# Altium PCB PCB_Kasli.PCBDOC (part 1 of 16) (continued)
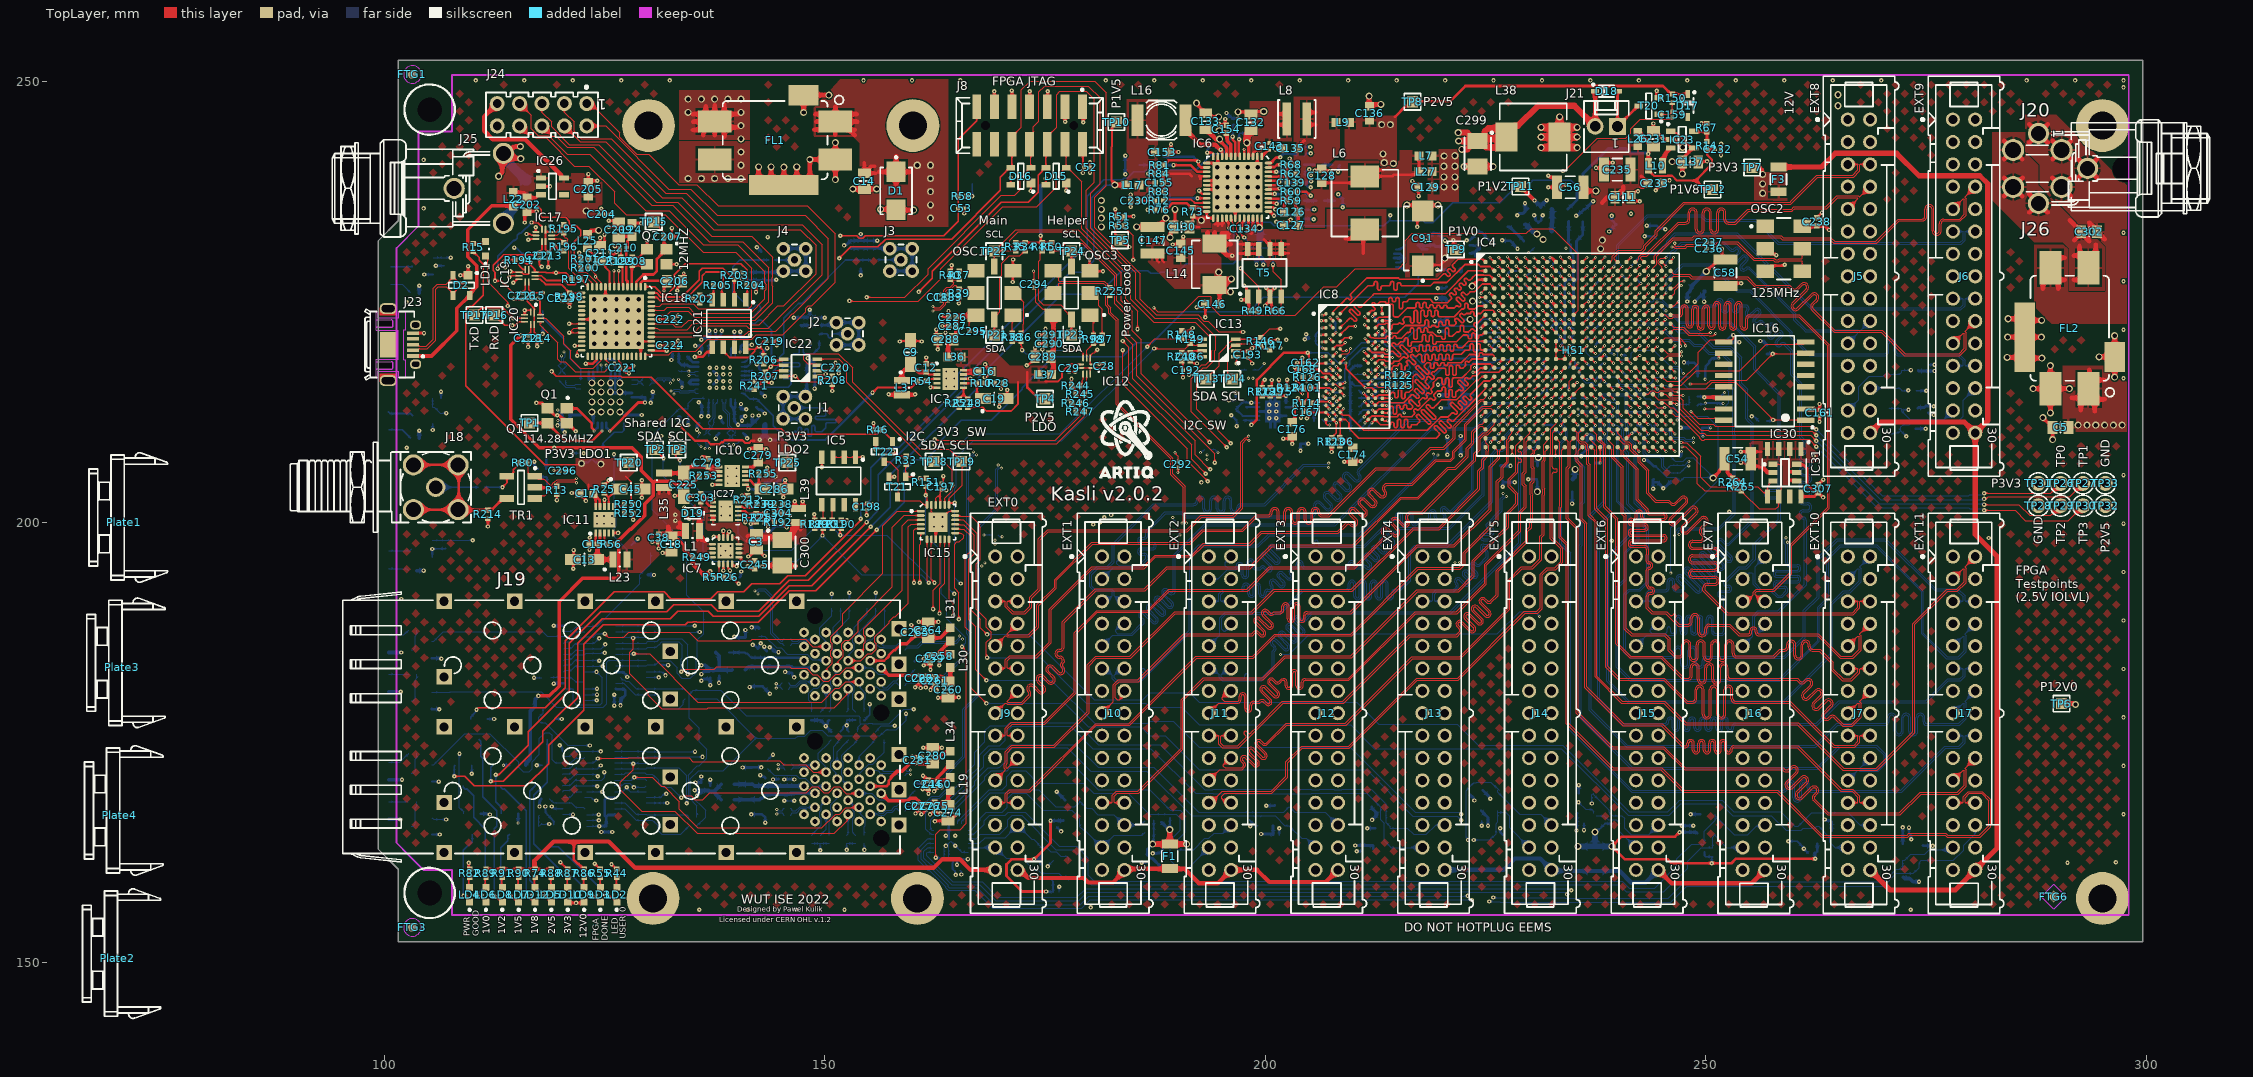
[diagram p0: TopLayer view]
## Classes and differential pairs
polygon class Copper_balancing: BAL_BOT BAL_TOP ML1_BAL ML2_BAL
differential pair class Diff_100Ohm: CK_GTP_125 CKC_GTP_125 CKIN0 CKIN_SMA CLK_SMA_IN CLKREC DDR3_CK DDR3_LDQS DDR3_UDQS EXT0.LVDS0 EXT0.LVDS1 EXT0.LVDS2 EXT0.LVDS3 EXT0.LVDS4 EXT0.LVDS5 EXT0.LVDS6 EXT0.LVDS7 EXT1.LVDS0 EXT1.LVDS1 EXT1.LVDS2 EXT1.LVDS3 EXT1.LVDS4 EXT1.LVDS5 EXT1.LVDS6 EXT1.LVDS7 EXT2.LVDS0 EXT2.LVDS1 EXT2.LVDS2 EXT2.LVDS3 EXT2.LVDS4 EXT2.LVDS5 EXT2.LVDS6 EXT2.LVDS7 EXT3.LVDS0 EXT3.LVDS1 EXT3.LVDS2 EXT3.LVDS3 EXT3.LVDS4 EXT3.LVDS5 EXT3.LVDS6 EXT3.LVDS7 EXT4.LVDS0 EXT4.LVDS1 EXT4.LVDS2 EXT4.LVDS3 EXT4.LVDS4 EXT4.LVDS5 EXT4.LVDS6 EXT4.LVDS7 EXT5.LVDS0 EXT5.LVDS1 EXT5.LVDS2 EXT5.LVDS3 EXT5.LVDS4 EXT5.LVDS5 EXT5.LVDS6 EXT5.LVDS7 EXT6.LVDS0 EXT6.LVDS1 EXT6.LVDS2 EXT6.LVDS3 EXT6.LVDS4 EXT6.LVDS5 EXT6.LVDS6 EXT6.LVDS7 EXT7.LVDS0 EXT7.LVDS1 EXT7.LVDS2 EXT7.LVDS3 EXT7.LVDS4 EXT7.LVDS5 EXT7.LVDS6 EXT7.LVDS7 EXT8.LVDS0 EXT8.LVDS1 EXT8.LVDS2 EXT8.LVDS3 EXT8.LVDS4 EXT8.LVDS5 EXT8.LVDS6 EXT8.LVDS7 EXT9.LVDS0 EXT9.LVDS1 EXT9.LVDS2 EXT9.LVDS3 EXT9.LVDS4 EXT9.LVDS5 EXT9.LVDS6 EXT9.LVDS7 EXT10.LVDS0 EXT10.LVDS1 EXT10.LVDS2 EXT10.LVDS3 EXT10.LVDS4 EXT10.LVDS5 EXT10.LVDS6 EXT10.LVDS7 EXT11.LVDS0 EXT11.LVDS1 EXT11.LVDS2 EXT11.LVDS3 EXT11.LVDS4 EXT11.LVDS5 EXT11.LVDS6 EXT11.LVDS7 Helper_DCXO Main_DCXO Main_DCXO_C SFP0_RD SFP0_TD SFP1_RD SFP1_TD SFP2_RD SFP2_TD SFP3_RD SFP3_TD SFP_RX_TX_0.RD SFP_RX_TX_0.TD SFP_RX_TX_1.RD SFP_RX_TX_1.TD SFP_RX_TX_2.RD SFP_RX_TX_2.TD SFP_RX_TX_3.RD SFP_RX_TX_3.TD
net class EXT11.LVDS_P[7..0]: EXT11.LVDS_P0 EXT11.LVDS_P1 EXT11.LVDS_P2 EXT11.LVDS_P3 EXT11.LVDS_P4 EXT11.LVDS_P5 EXT11.LVDS_P6 EXT11.LVDS_P7
net class EXT11.LVDS_N[7..0]: EXT11.LVDS_N0 EXT11.LVDS_N1 EXT11.LVDS_N2 EXT11.LVDS_N3 EXT11.LVDS_N4 EXT11.LVDS_N5 EXT11.LVDS_N6 EXT11.LVDS_N7
net class EXT10.LVDS_P[7..0]: EXT10.LVDS_P0 EXT10.LVDS_P1 EXT10.LVDS_P2 EXT10.LVDS_P3 EXT10.LVDS_P4 EXT10.LVDS_P5 EXT10.LVDS_P6 EXT10.LVDS_P7
net class EXT10.LVDS_N[7..0]: EXT10.LVDS_N0 EXT10.LVDS_N1 EXT10.LVDS_N2 EXT10.LVDS_N3 EXT10.LVDS_N4 EXT10.LVDS_N5 EXT10.LVDS_N6 EXT10.LVDS_N7
net class EXT9.LVDS_P[7..0]: EXT9.LVDS_P0 EXT9.LVDS_P1 EXT9.LVDS_P2 EXT9.LVDS_P3 EXT9.LVDS_P4 EXT9.LVDS_P5 EXT9.LVDS_P6 EXT9.LVDS_P7
net class EXT9.LVDS_N[7..0]: EXT9.LVDS_N0 EXT9.LVDS_N1 EXT9.LVDS_N2 EXT9.LVDS_N3 EXT9.LVDS_N4 EXT9.LVDS_N5 EXT9.LVDS_N6 EXT9.LVDS_N7
net class EXT8.LVDS_P[7..0]: EXT8.LVDS_P0 EXT8.LVDS_P1 EXT8.LVDS_P2 EXT8.LVDS_P3 EXT8.LVDS_P4 EXT8.LVDS_P5 EXT8.LVDS_P6 EXT8.LVDS_P7
net class EXT8.LVDS_N[7..0]: EXT8.LVDS_N0 EXT8.LVDS_N1 EXT8.LVDS_N2 EXT8.LVDS_N3 EXT8.LVDS_N4 EXT8.LVDS_N5 EXT8.LVDS_N6 EXT8.LVDS_N7
net class EXT7.LVDS_P[7..0]: EXT7.LVDS_P0 EXT7.LVDS_P1 EXT7.LVDS_P2 EXT7.LVDS_P3 EXT7.LVDS_P4 EXT7.LVDS_P5 EXT7.LVDS_P6 EXT7.LVDS_P7
net class EXT7.LVDS_N[7..0]: EXT7.LVDS_N0 EXT7.LVDS_N1 EXT7.LVDS_N2 EXT7.LVDS_N3 EXT7.LVDS_N4 EXT7.LVDS_N5 EXT7.LVDS_N6 EXT7.LVDS_N7
net class EXT6.LVDS_P[7..0]: EXT6.LVDS_P0 EXT6.LVDS_P1 EXT6.LVDS_P2 EXT6.LVDS_P3 EXT6.LVDS_P4 EXT6.LVDS_P5 EXT6.LVDS_P6 EXT6.LVDS_P7
net class EXT6.LVDS_N[7..0]: EXT6.LVDS_N0 EXT6.LVDS_N1 EXT6.LVDS_N2 EXT6.LVDS_N3 EXT6.LVDS_N4 EXT6.LVDS_N5 EXT6.LVDS_N6 EXT6.LVDS_N7
net class EXT5.LVDS_P[7..0]: EXT5.LVDS_P0 EXT5.LVDS_P1 EXT5.LVDS_P2 EXT5.LVDS_P3 EXT5.LVDS_P4 EXT5.LVDS_P5 EXT5.LVDS_P6 EXT5.LVDS_P7
net class EXT5.LVDS_N[7..0]: EXT5.LVDS_N0 EXT5.LVDS_N1 EXT5.LVDS_N2 EXT5.LVDS_N3 EXT5.LVDS_N4 EXT5.LVDS_N5 EXT5.LVDS_N6 EXT5.LVDS_N7
net class EXT4.LVDS_P[7..0]: EXT4.LVDS_P0 EXT4.LVDS_P1 EXT4.LVDS_P2 EXT4.LVDS_P3 EXT4.LVDS_P4 EXT4.LVDS_P5 EXT4.LVDS_P6 EXT4.LVDS_P7
net class EXT4.LVDS_N[7..0]: EXT4.LVDS_N0 EXT4.LVDS_N1 EXT4.LVDS_N2 EXT4.LVDS_N3 EXT4.LVDS_N4 EXT4.LVDS_N5 EXT4.LVDS_N6 EXT4.LVDS_N7
net class EXT3.LVDS_P[7..0]: EXT3.LVDS_P0 EXT3.LVDS_P1 EXT3.LVDS_P2 EXT3.LVDS_P3 EXT3.LVDS_P4 EXT3.LVDS_P5 EXT3.LVDS_P6 EXT3.LVDS_P7
net class EXT3.LVDS_N[7..0]: EXT3.LVDS_N0 EXT3.LVDS_N1 EXT3.LVDS_N2 EXT3.LVDS_N3 EXT3.LVDS_N4 EXT3.LVDS_N5 EXT3.LVDS_N6 EXT3.LVDS_N7
net class EXT2.LVDS_P[7..0]: EXT2.LVDS_P0 EXT2.LVDS_P1 EXT2.LVDS_P2 EXT2.LVDS_P3 EXT2.LVDS_P4 EXT2.LVDS_P5 EXT2.LVDS_P6 EXT2.LVDS_P7
net class EXT2.LVDS_N[7..0]: EXT2.LVDS_N0 EXT2.LVDS_N1 EXT2.LVDS_N2 EXT2.LVDS_N3 EXT2.LVDS_N4 EXT2.LVDS_N5 EXT2.LVDS_N6 EXT2.LVDS_N7
net class EXT1.LVDS_P[7..0]: EXT1.LVDS_P0 EXT1.LVDS_P1 EXT1.LVDS_P2 EXT1.LVDS_P3 EXT1.LVDS_P4 EXT1.LVDS_P5 EXT1.LVDS_P6 EXT1.LVDS_P7
net class EXT1.LVDS_N[7..0]: EXT1.LVDS_N0 EXT1.LVDS_N1 EXT1.LVDS_N2 EXT1.LVDS_N3 EXT1.LVDS_N4 EXT1.LVDS_N5 EXT1.LVDS_N6 EXT1.LVDS_N7
net class EXT0.LVDS_P[7..0]: EXT0.LVDS_P0 EXT0.LVDS_P1 EXT0.LVDS_P2 EXT0.LVDS_P3 EXT0.LVDS_P4 EXT0.LVDS_P5 EXT0.LVDS_P6 EXT0.LVDS_P7
net class EXT0.LVDS_N[7..0]: EXT0.LVDS_N0 EXT0.LVDS_N1 EXT0.LVDS_N2 EXT0.LVDS_N3 EXT0.LVDS_N4 EXT0.LVDS_N5 EXT0.LVDS_N6 EXT0.LVDS_N7
differential pair class Diff_90Ohm: USB_D_R
differential pair class LVPECL: CK_FPGAIO CK_GTP CKI_FPGAIO CKI_GTP CKOUT_1 CKOUT_D_1
differential pair class GTP: MGT_RX3 MGT_TX3 SATA_RX SATA_TX SFP_RX_TX_0.RD SFP_RX_TX_0.TD SFP_RX_TX_1.RD SFP_RX_TX_1.TD SFP_RX_TX_2.RD SFP_RX_TX_2.TD SFP_RX_TX_3.RD SFP_RX_TX_3.TD
net class SFP_RX_TX_3: SFP_RX_TX_3.RD_N SFP_RX_TX_3.RD_P SFP_RX_TX_3.TD_N SFP_RX_TX_3.TD_P
net class SFP_3: SFP_3.LED SFP_3.LOS SFP_3.MOD_PRESENT SFP_3.RATE_SELECT SFP_3.RATE_SELECT1 SFP_3.SCL SFP_3.SDA SFP_3.TX_DISABLE SFP_3.TX_FAULT
net class GPIO_INT[1..0]: GPIO_INT0 GPIO_INT1
component class U_SFP: C160 C178 C179 C180 C181 C182 C183 C184 C185 C244 C246 C247 C248 C249 C250 C251 C252 C253 C254 C255 C256 C257 C258 C259 C260 C261 C262 C263 C264 C265 C266 C267 C268 C269 C270 C271 C272 C273 C274 C275 C276 C277 C280 C281 C282 C283 C284 C285 DS1 DS2 DS3 J19 L19 L20 L21 L30 L31 L32 L33 L34 LD11 LD15 LD16 LD17 Plate1 Plate2 Plate3 Plate4 R130 R133 R134 R135 R136 R137 R138 R140 R141 R142 R143 R144 R145 R174 R193 R213 R215 R216 R217 R218 R219 R220 R222 R223 T11 T16 T17 T18
net class 50Ohm: DDR3_A0 DDR3_A1 DDR3_A2 DDR3_A3 DDR3_A4 DDR3_A5 DDR3_A6 DDR3_A7 DDR3_A8 DDR3_A9 DDR3_A10 DDR3_A11 DDR3_A12 DDR3_A13 DDR3_A14 DDR3_BA0 DDR3_BA1 DDR3_BA2 DDR3_CAS_N DDR3_CK_N DDR3_CK_P DDR3_CKE DDR3_DQ0 DDR3_DQ1 DDR3_DQ2 DDR3_DQ3 DDR3_DQ4 DDR3_DQ5 DDR3_DQ6 DDR3_DQ7 DDR3_DQ8 DDR3_DQ9 DDR3_DQ10 DDR3_DQ11 DDR3_DQ12 DDR3_DQ13 DDR3_DQ14 DDR3_DQ15 DDR3_LDM DDR3_LDQS_N DDR3_LDQS_P DDR3_ODT DDR3_RAS_N DDR3_UDM DDR3_UDQS_N DDR3_UDQS_P DDR3_WE_N EEM_CLK_OUT0 EEM_CLK_OUT1 EEM_CLK_OUT2 EEM_CLK_OUT3 NetC20_2 NetC21_2 NetC22_2 NetC27_2 NetC228_1 NetC228_2
component class FPGA_JTAG: C52 C53 C159 R58
component class SATA: C246 C247 C248 C249 C250 C251 C252 C253 C254 C255 C256 C257 C282 C283 C284 C285
component class Artix: C50 C51 C57 C60 C61 C62 C63 C64 C65 C95 C97 C98 C99 C100 C101 C112 C113 C114 C115 C116 C120 C122 C123 C124 C125 C161 C205 C229 C240 L4 L5 R19 R23 R42 R43 R44 R45 R52 R53 R55 R94 R95 R96 R191 R227 T2 T3 T4 T12 T19 T20 T21 T22
component class PowerSupplies: C5 C14 C126 C127 C128 C129 C130 C131 C132 C133 C134 C135 C136 C137 C138 C139 C140 C141 C142 C143 C145 C146 C147 C148 C149 C150 C151 C152 C153 C154 C155 C156 C157 C158 C230 C231 C232 C233 C299 C301 C302 D1 FL1 FL2 IC6 IC23 J20 J25 J26 L6 L7 L8 L9 L10 L11 L12 L13 L14 L15 L16 L17 L18 L26 L27 L28 L38 LD4 LD5 LD6 LD7 LD8 LD9 LD10 LD12 R12 R14 R49 R51 R59 R60 R61 R62 R63 R64 R65 R66 R67 R68 R69 R70 R71 R72 R73 R74 R75 R76 R77 R78 R79 R81 R82 R83 R84 R85 R86 R87 R88 R89 R90 R91 R92 R93 T5 T6 T7 T8 T9 T10 T15 TP5 TP6 TP7 TP8 TP9 TP10 TP11 TP12
net class I2C_SDA_[11..0]: I2C_SDA_0 I2C_SDA_1 I2C_SDA_2 I2C_SDA_3 I2C_SDA_4 I2C_SDA_5 I2C_SDA_6 I2C_SDA_7 I2C_SDA_8 I2C_SDA_9 I2C_SDA_10 I2C_SDA_11
net class I2C_SCL_[11..0]: I2C_SCL_0 I2C_SCL_1 I2C_SCL_2 I2C_SCL_3 I2C_SCL_4 I2C_SCL_5 I2C_SCL_6 I2C_SCL_7 I2C_SCL_8 I2C_SCL_9 I2C_SCL_10 I2C_SCL_11
component class U_IDC_EXT_Connectors: C30 C31 C32 C33 C34 C35 C36 C37 C39 C40 C41 C42 D3 D4 D5 D6 D7 D8 D9 D10 D11 D12 D13 D14 F1 F2 F3 J5 J6 J7 J9 J10 J11 J12 J13 J14 J15 J16 J17
component class U_FPGAGTP: C236 C237 C238 OSC2 R191
component class U_FPGA_SDRAM: C162 C163 C164 C165 C166 C167 C168 C169 C170 C171 C172 C173 C174 C175 C176 C177 IC8 IC9 R99 R100 R101 R102 R103 R104 R105 R106 R107 R108 R109 R110 R111 R112 R113 R114 R115 R116 R117 R118 R119 R120 R121 R122 R123 R124 R125 R126 R127 R128 R129
component class U_FPGA_I2C: C186 C192 C193 C196 C197 C198 C203 C227 C305 C306 C307 IC5 IC13 IC14 IC15 IC24 IC25 IC28 IC29 IC30 IC31 R33 R46 R131 R132 R146 R147 R148 R149 R151 R155 R156 R157 R158 R159 R160 R161 R162 R163 R164 R165 R166 R167 R168 R169 R170 R171 R172 R173 R175 R176 R178 R180 R182 R183 R184 R185 R186 R187 R188 R189 R190 R228 R229 R230 R231 R232 R233 R234 R235 R240 R264 R265 T21 T22 TP2 TP3 TP13 TP14
component class TOP: C161 C228 C229 FTG1 FTG2 FTG3 FTG4 FTG5 FTG6 IC16 J18 R13 R80 R94 R95 R96 R139 R154 R214 TR1
component class ClockRecovery: C1 C2 C3 C4 C6 C7 C8 C9 C10 C11 C12 C13 C15 C16 C17 C18 C19 C20 C21 C22 C23 C24 C25 C26 C27 C28 C29 C38 C43 C44 C45 C46 C47 C48 C49 C144 C187 C188 C189 C190 C191 C194 C195 C199 C200 C201 C225 C226 C234 C239 C241 C242 C243 C245 C278 C279 C286 C287 C288 C289 C290 C291 C292 C293 C294 C295 C296 C297 C298 C300 C303 C304 D19 IC1 IC2 IC3 IC7 IC10 IC11 IC12 IC27 J1 J2 J3 J4 L1 L2 L3 L23 L29 L35 L36 L37 L39 LD1 OSC1 OSC3 Q1 R1 R2 R3 R4 R5 R6 R7 R8 R10 R15 R16 R17 R18 R21 R22 R24 R25 R26 R27 R28 R29 R30 R31 R32 R34 R35 R36 R37 R38 R39 R40 R41 R47 R48 R50 R54 R56 R97 R98 R152 R153 R177 R179 R181 R192 R210 R211 R212 R221 R224 R225 R236 R237 R238 R239 R242 R243 R244 R245 R246 R247 R248 R249 R250 R251 R252 R253 R254 R255 R256 R257 T1 TP1 TP4 TP20 TP21 TP22 TP23 TP24 TP25
component class FPGAPower&Misc: C50 C51 C52 C53 C54 C55 C56 C57 C58 C59 C60 C61 C62 C63 C64 C65 C66 C67 C68 C69 C70 C71 C72 C73 C74 C75 C76 C77 C78 C79 C80 C81 C82 C83 C84 C85 C86 C87 C88 C89 C90 C91 C92 C93 C94 C95 C96 C97 C98 C99 C100 C101 C102 C103 C104 C105 C106 C107 C108 C109 C110 C111 C112 C113 C114 C115 C116 C117 C118 C119 C120 C121 C122 C123 C124 C125 C235 C240 D15 D16 HS1 J8 L4 L5 LD3 R52 R53 R55 R57 R58 T4
component class "Artix 7": C159 D17 D18 IC4 J21 LD2 LD13 LD14 LD18 R9 R11 R19 R20 R23 R42 R43 R44 R45 R150 R226 R227 T2 T3 T12 T19 T20 TP26 TP27 TP28 TP29 TP30 TP31 TP32 TP33
component class USB_Serial_Quad: C202 C204 C205 C206 C207 C208 C209 C210 C211 C212 C213 C214 C215 C216 C217 C218 C219 C220 C221 C222 C223 C224 D2 IC17 IC18 IC19 IC20 IC21 IC22 IC26 J23 J24 L22 L24 L25 Q2 R194 R195 R196 R197 R198 R199 R200 R201 R202 R203 R204 R205 R206 R207 R208 R209 R241 T13 T14 TP15 TP16 TP17 TP18 TP19
component class Connectors: J18 J23
net class DDR_AddressAndControls: DDR3_A0 DDR3_A1 DDR3_A2 DDR3_A3 DDR3_A4 DDR3_A5 DDR3_A6 DDR3_A7 DDR3_A8 DDR3_A9 DDR3_A10 DDR3_A11 DDR3_A12 DDR3_A13 DDR3_A14 DDR3_BA0 DDR3_BA1 DDR3_BA2 DDR3_CAS_N DDR3_CK_N DDR3_CK_P DDR3_CKE DDR3_ODT DDR3_RAS_N DDR3_WE_N
net class DDR_BL0: DDR3_DQ0 DDR3_DQ1 DDR3_DQ2 DDR3_DQ3 DDR3_DQ4 DDR3_DQ5 DDR3_DQ6 DDR3_DQ7 DDR3_DQ8 DDR3_DQ9 DDR3_DQ10 DDR3_DQ11 DDR3_DQ12 DDR3_DQ13 DDR3_DQ14 DDR3_DQ15 DDR3_LDM DDR3_LDQS_N DDR3_LDQS_P DDR3_UDM DDR3_UDQS_N DDR3_UDQS_P
net class EXT0: EXT0.LVDS_N0 EXT0.LVDS_N1 EXT0.LVDS_N2 EXT0.LVDS_N3 EXT0.LVDS_N4 EXT0.LVDS_N5 EXT0.LVDS_N6 EXT0.LVDS_N7 EXT0.LVDS_P0 EXT0.LVDS_P1 EXT0.LVDS_P2 EXT0.LVDS_P3 EXT0.LVDS_P4 EXT0.LVDS_P5 EXT0.LVDS_P6 EXT0.LVDS_P7
net class EXT1: EXT1.LVDS_N0 EXT1.LVDS_N1 EXT1.LVDS_N2 EXT1.LVDS_N3 EXT1.LVDS_N4 EXT1.LVDS_N5 EXT1.LVDS_N6 EXT1.LVDS_N7 EXT1.LVDS_P0 EXT1.LVDS_P1 EXT1.LVDS_P2 EXT1.LVDS_P3 EXT1.LVDS_P4 EXT1.LVDS_P5 EXT1.LVDS_P6 EXT1.LVDS_P7
net class EXT2: EXT2.LVDS_N0 EXT2.LVDS_N1 EXT2.LVDS_N2 EXT2.LVDS_N3 EXT2.LVDS_N4 EXT2.LVDS_N5 EXT2.LVDS_N6 EXT2.LVDS_N7 EXT2.LVDS_P0 EXT2.LVDS_P1 EXT2.LVDS_P2 EXT2.LVDS_P3 EXT2.LVDS_P4 EXT2.LVDS_P5 EXT2.LVDS_P6 EXT2.LVDS_P7
net class EXT3: EXT3.LVDS_N0 EXT3.LVDS_N1 EXT3.LVDS_N2 EXT3.LVDS_N3 EXT3.LVDS_N4 EXT3.LVDS_N5 EXT3.LVDS_N6 EXT3.LVDS_N7 EXT3.LVDS_P0 EXT3.LVDS_P1 EXT3.LVDS_P2 EXT3.LVDS_P3 EXT3.LVDS_P4 EXT3.LVDS_P5 EXT3.LVDS_P6 EXT3.LVDS_P7
net class EXT4: EXT4.LVDS_N0 EXT4.LVDS_N1 EXT4.LVDS_N2 EXT4.LVDS_N3 EXT4.LVDS_N4 EXT4.LVDS_N5 EXT4.LVDS_N6 EXT4.LVDS_N7 EXT4.LVDS_P0 EXT4.LVDS_P1 EXT4.LVDS_P2 EXT4.LVDS_P3 EXT4.LVDS_P4 EXT4.LVDS_P5 EXT4.LVDS_P6 EXT4.LVDS_P7
net class EXT5: EXT5.LVDS_N0 EXT5.LVDS_N1 EXT5.LVDS_N2 EXT5.LVDS_N3 EXT5.LVDS_N4 EXT5.LVDS_N5 EXT5.LVDS_N6 EXT5.LVDS_N7 EXT5.LVDS_P0 EXT5.LVDS_P1 EXT5.LVDS_P2 EXT5.LVDS_P3 EXT5.LVDS_P4 EXT5.LVDS_P5 EXT5.LVDS_P6 EXT5.LVDS_P7
net class EXT6: EXT6.LVDS_N0 EXT6.LVDS_N1 EXT6.LVDS_N2 EXT6.LVDS_N3 EXT6.LVDS_N4 EXT6.LVDS_N5 EXT6.LVDS_N6 EXT6.LVDS_N7 EXT6.LVDS_P0 EXT6.LVDS_P1 EXT6.LVDS_P2 EXT6.LVDS_P3 EXT6.LVDS_P4 EXT6.LVDS_P5 EXT6.LVDS_P6 EXT6.LVDS_P7
net class EXT7: EXT7.LVDS_N0 EXT7.LVDS_N1 EXT7.LVDS_N2 EXT7.LVDS_N3 EXT7.LVDS_N4 EXT7.LVDS_N5 EXT7.LVDS_N6 EXT7.LVDS_N7 EXT7.LVDS_P0 EXT7.LVDS_P1 EXT7.LVDS_P2 EXT7.LVDS_P3 EXT7.LVDS_P4 EXT7.LVDS_P5 EXT7.LVDS_P6 EXT7.LVDS_P7
net class EXT8: EXT8.LVDS_N0 EXT8.LVDS_N1 EXT8.LVDS_N2 EXT8.LVDS_N3 EXT8.LVDS_N4 EXT8.LVDS_N5 EXT8.LVDS_N6 EXT8.LVDS_N7 EXT8.LVDS_P0 EXT8.LVDS_P1 EXT8.LVDS_P2 EXT8.LVDS_P3 EXT8.LVDS_P4 EXT8.LVDS_P5 EXT8.LVDS_P6 EXT8.LVDS_P7
net class EXT9: EXT9.LVDS_N0 EXT9.LVDS_N1 EXT9.LVDS_N2 EXT9.LVDS_N3 EXT9.LVDS_N4 EXT9.LVDS_N5 EXT9.LVDS_N6 EXT9.LVDS_N7 EXT9.LVDS_P0 EXT9.LVDS_P1 EXT9.LVDS_P2 EXT9.LVDS_P3 EXT9.LVDS_P4 EXT9.LVDS_P5 EXT9.LVDS_P6 EXT9.LVDS_P7
net class EXT10: EXT10.LVDS_N0 EXT10.LVDS_N1 EXT10.LVDS_N2 EXT10.LVDS_N3 EXT10.LVDS_N4 EXT10.LVDS_N5 EXT10.LVDS_N6 EXT10.LVDS_N7 EXT10.LVDS_P0 EXT10.LVDS_P1 EXT10.LVDS_P2 EXT10.LVDS_P3 EXT10.LVDS_P4 EXT10.LVDS_P5 EXT10.LVDS_P6 EXT10.LVDS_P7
net class EXT11: EXT11.LVDS_N0 EXT11.LVDS_N1 EXT11.LVDS_N2 EXT11.LVDS_N3 EXT11.LVDS_N4 EXT11.LVDS_N5 EXT11.LVDS_N6 EXT11.LVDS_N7 EXT11.LVDS_P0 EXT11.LVDS_P1 EXT11.LVDS_P2 EXT11.LVDS_P3 EXT11.LVDS_P4 EXT11.LVDS_P5 EXT11.LVDS_P6 EXT11.LVDS_P7
net class SFP_0: SFP_0.LED SFP_0.LOS SFP_0.MOD_PRESENT SFP_0.RATE_SELECT SFP_0.RATE_SELECT1 SFP_0.SCL SFP_0.SDA SFP_0.TX_DISABLE SFP_0.TX_FAULT
net class SFP_1: SFP_1.LED SFP_1.LOS SFP_1.MOD_PRESENT SFP_1.RATE_SELECT SFP_1.RATE_SELECT1 SFP_1.SCL SFP_1.SDA SFP_1.TX_DISABLE SFP_1.TX_FAULT
net class SFP_2: SFP_2.LED SFP_2.LOS SFP_2.MOD_PRESENT SFP_2.RATE_SELECT SFP_2.RATE_SELECT1 SFP_2.SCL SFP_2.SDA SFP_2.TX_DISABLE SFP_2.TX_FAULT
net class SFP_RX_TX_0: SFP_RX_TX_0.RD_N SFP_RX_TX_0.RD_P SFP_RX_TX_0.TD_N SFP_RX_TX_0.TD_P
net class SFP_RX_TX_1: SFP_RX_TX_1.RD_N SFP_RX_TX_1.RD_P SFP_RX_TX_1.TD_N SFP_RX_TX_1.TD_P
net class SFP_RX_TX_2: SFP_RX_TX_2.RD_N SFP_RX_TX_2.RD_P SFP_RX_TX_2.TD_N SFP_RX_TX_2.TD_P
differential pair EXT11.LVDS7: +EXT11.LVDS_P7 -EXT11.LVDS_N7
differential pair EXT11.LVDS6: +EXT11.LVDS_P6 -EXT11.LVDS_N6
differential pair EXT11.LVDS5: +EXT11.LVDS_P5 -EXT11.LVDS_N5
differential pair EXT11.LVDS4: +EXT11.LVDS_P4 -EXT11.LVDS_N4
differential pair EXT11.LVDS3: +EXT11.LVDS_P3 -EXT11.LVDS_N3
differential pair EXT11.LVDS2: +EXT11.LVDS_P2 -EXT11.LVDS_N2
differential pair EXT11.LVDS1: +EXT11.LVDS_P1 -EXT11.LVDS_N1
differential pair EXT11.LVDS0: +EXT11.LVDS_P0 -EXT11.LVDS_N0
differential pair EXT10.LVDS7: +EXT10.LVDS_P7 -EXT10.LVDS_N7
differential pair EXT10.LVDS6: +EXT10.LVDS_P6 -EXT10.LVDS_N6
differential pair EXT10.LVDS5: +EXT10.LVDS_P5 -EXT10.LVDS_N5
differential pair EXT10.LVDS4: +EXT10.LVDS_P4 -EXT10.LVDS_N4
differential pair EXT10.LVDS3: +EXT10.LVDS_P3 -EXT10.LVDS_N3
differential pair EXT10.LVDS2: +EXT10.LVDS_P2 -EXT10.LVDS_N2
differential pair EXT10.LVDS1: +EXT10.LVDS_P1 -EXT10.LVDS_N1
differential pair EXT10.LVDS0: +EXT10.LVDS_P0 -EXT10.LVDS_N0
differential pair EXT9.LVDS7: +EXT9.LVDS_P7 -EXT9.LVDS_N7
differential pair EXT9.LVDS6: +EXT9.LVDS_P6 -EXT9.LVDS_N6
differential pair EXT9.LVDS5: +EXT9.LVDS_P5 -EXT9.LVDS_N5
differential pair EXT9.LVDS4: +EXT9.LVDS_P4 -EXT9.LVDS_N4
differential pair EXT9.LVDS3: +EXT9.LVDS_P3 -EXT9.LVDS_N3
differential pair EXT9.LVDS2: +EXT9.LVDS_P2 -EXT9.LVDS_N2
differential pair EXT9.LVDS1: +EXT9.LVDS_P1 -EXT9.LVDS_N1
differential pair EXT9.LVDS0: +EXT9.LVDS_P0 -EXT9.LVDS_N0
differential pair EXT8.LVDS7: +EXT8.LVDS_P7 -EXT8.LVDS_N7
differential pair EXT8.LVDS6: +EXT8.LVDS_P6 -EXT8.LVDS_N6
differential pair EXT8.LVDS5: +EXT8.LVDS_P5 -EXT8.LVDS_N5
differential pair EXT8.LVDS4: +EXT8.LVDS_P4 -EXT8.LVDS_N4
differential pair EXT8.LVDS3: +EXT8.LVDS_P3 -EXT8.LVDS_N3
differential pair EXT8.LVDS2: +EXT8.LVDS_P2 -EXT8.LVDS_N2
differential pair EXT8.LVDS1: +EXT8.LVDS_P1 -EXT8.LVDS_N1
differential pair EXT8.LVDS0: +EXT8.LVDS_P0 -EXT8.LVDS_N0
differential pair EXT7.LVDS7: +EXT7.LVDS_P7 -EXT7.LVDS_N7
differential pair EXT7.LVDS6: +EXT7.LVDS_P6 -EXT7.LVDS_N6
differential pair EXT7.LVDS5: +EXT7.LVDS_P5 -EXT7.LVDS_N5
differential pair EXT7.LVDS4: +EXT7.LVDS_P4 -EXT7.LVDS_N4
differential pair EXT7.LVDS3: +EXT7.LVDS_P3 -EXT7.LVDS_N3
differential pair EXT7.LVDS2: +EXT7.LVDS_P2 -EXT7.LVDS_N2
differential pair EXT7.LVDS1: +EXT7.LVDS_P1 -EXT7.LVDS_N1
differential pair EXT7.LVDS0: +EXT7.LVDS_P0 -EXT7.LVDS_N0
differential pair EXT6.LVDS7: +EXT6.LVDS_P7 -EXT6.LVDS_N7
differential pair EXT6.LVDS6: +EXT6.LVDS_P6 -EXT6.LVDS_N6
differential pair EXT6.LVDS5: +EXT6.LVDS_P5 -EXT6.LVDS_N5
differential pair EXT6.LVDS4: +EXT6.LVDS_P4 -EXT6.LVDS_N4
differential pair EXT6.LVDS3: +EXT6.LVDS_P3 -EXT6.LVDS_N3
differential pair EXT6.LVDS2: +EXT6.LVDS_P2 -EXT6.LVDS_N2
differential pair EXT6.LVDS1: +EXT6.LVDS_P1 -EXT6.LVDS_N1
differential pair EXT6.LVDS0: +EXT6.LVDS_P0 -EXT6.LVDS_N0
differential pair EXT5.LVDS7: +EXT5.LVDS_P7 -EXT5.LVDS_N7
differential pair EXT5.LVDS6: +EXT5.LVDS_P6 -EXT5.LVDS_N6
differential pair EXT5.LVDS5: +EXT5.LVDS_P5 -EXT5.LVDS_N5
differential pair EXT5.LVDS4: +EXT5.LVDS_P4 -EXT5.LVDS_N4
differential pair EXT5.LVDS3: +EXT5.LVDS_P3 -EXT5.LVDS_N3
differential pair EXT5.LVDS2: +EXT5.LVDS_P2 -EXT5.LVDS_N2
differential pair EXT5.LVDS1: +EXT5.LVDS_P1 -EXT5.LVDS_N1
differential pair EXT5.LVDS0: +EXT5.LVDS_P0 -EXT5.LVDS_N0
differential pair EXT4.LVDS7: +EXT4.LVDS_P7 -EXT4.LVDS_N7
differential pair EXT4.LVDS6: +EXT4.LVDS_P6 -EXT4.LVDS_N6
differential pair EXT4.LVDS5: +EXT4.LVDS_P5 -EXT4.LVDS_N5
differential pair EXT4.LVDS4: +EXT4.LVDS_P4 -EXT4.LVDS_N4
differential pair EXT4.LVDS3: +EXT4.LVDS_P3 -EXT4.LVDS_N3
differential pair EXT4.LVDS2: +EXT4.LVDS_P2 -EXT4.LVDS_N2
differential pair EXT4.LVDS1: +EXT4.LVDS_P1 -EXT4.LVDS_N1
differential pair EXT4.LVDS0: +EXT4.LVDS_P0 -EXT4.LVDS_N0
differential pair EXT3.LVDS7: +EXT3.LVDS_P7 -EXT3.LVDS_N7
differential pair EXT3.LVDS6: +EXT3.LVDS_P6 -EXT3.LVDS_N6
differential pair EXT3.LVDS5: +EXT3.LVDS_P5 -EXT3.LVDS_N5
differential pair EXT3.LVDS4: +EXT3.LVDS_P4 -EXT3.LVDS_N4
differential pair EXT3.LVDS3: +EXT3.LVDS_P3 -EXT3.LVDS_N3
differential pair EXT3.LVDS2: +EXT3.LVDS_P2 -EXT3.LVDS_N2
differential pair EXT3.LVDS1: +EXT3.LVDS_P1 -EXT3.LVDS_N1
differential pair EXT3.LVDS0: +EXT3.LVDS_P0 -EXT3.LVDS_N0
differential pair EXT2.LVDS7: +EXT2.LVDS_P7 -EXT2.LVDS_N7
differential pair EXT2.LVDS6: +EXT2.LVDS_P6 -EXT2.LVDS_N6
differential pair EXT2.LVDS5: +EXT2.LVDS_P5 -EXT2.LVDS_N5
differential pair EXT2.LVDS4: +EXT2.LVDS_P4 -EXT2.LVDS_N4
differential pair EXT2.LVDS3: +EXT2.LVDS_P3 -EXT2.LVDS_N3
differential pair EXT2.LVDS2: +EXT2.LVDS_P2 -EXT2.LVDS_N2
differential pair EXT2.LVDS1: +EXT2.LVDS_P1 -EXT2.LVDS_N1
differential pair EXT2.LVDS0: +EXT2.LVDS_P0 -EXT2.LVDS_N0
differential pair EXT1.LVDS7: +EXT1.LVDS_P7 -EXT1.LVDS_N7
differential pair EXT1.LVDS6: +EXT1.LVDS_P6 -EXT1.LVDS_N6
differential pair EXT1.LVDS5: +EXT1.LVDS_P5 -EXT1.LVDS_N5
differential pair EXT1.LVDS4: +EXT1.LVDS_P4 -EXT1.LVDS_N4
differential pair EXT1.LVDS3: +EXT1.LVDS_P3 -EXT1.LVDS_N3
differential pair EXT1.LVDS2: +EXT1.LVDS_P2 -EXT1.LVDS_N2
differential pair EXT1.LVDS1: +EXT1.LVDS_P1 -EXT1.LVDS_N1
differential pair EXT1.LVDS0: +EXT1.LVDS_P0 -EXT1.LVDS_N0
differential pair EXT0.LVDS7: +EXT0.LVDS_P7 -EXT0.LVDS_N7
differential pair EXT0.LVDS6: +EXT0.LVDS_P6 -EXT0.LVDS_N6
differential pair EXT0.LVDS5: +EXT0.LVDS_P5 -EXT0.LVDS_N5
differential pair EXT0.LVDS4: +EXT0.LVDS_P4 -EXT0.LVDS_N4
differential pair EXT0.LVDS3: +EXT0.LVDS_P3 -EXT0.LVDS_N3
differential pair EXT0.LVDS2: +EXT0.LVDS_P2 -EXT0.LVDS_N2
differential pair EXT0.LVDS1: +EXT0.LVDS_P1 -EXT0.LVDS_N1
differential pair EXT0.LVDS0: +EXT0.LVDS_P0 -EXT0.LVDS_N0
differential pair SFP3_TD: +SFP3_TD_P -SFP3_TD_N
differential pair SFP3_RD: +SFP3_RD_P -SFP3_RD_N
differential pair SFP_RX_TX_3.TD: +SFP_RX_TX_3.TD_P -SFP_RX_TX_3.TD_N
differential pair SFP_RX_TX_3.RD: +SFP_RX_TX_3.RD_P -SFP_RX_TX_3.RD_N
differential pair SFP2_TD: +SFP2_TD_P -SFP2_TD_N
differential pair SFP2_RD: +SFP2_RD_P -SFP2_RD_N
differential pair SFP1_TD: +SFP1_TD_P -SFP1_TD_N
differential pair SFP1_RD: +SFP1_RD_P -SFP1_RD_N
differential pair SFP0_TD: +SFP0_TD_P -SFP0_TD_N
differential pair SFP0_RD: +SFP0_RD_P -SFP0_RD_N
differential pair Helper_DCXO: +Helper_DCXO_P -Helper_DCXO_N
differential pair CLK_SMA_IN: +CLK_SMA_IN_P -CLK_SMA_IN_N
differential pair CK_FPGAIO: +CK_FPGAIO_P -CK_FPGAIO_N
differential pair Main_DCXO: +Main_DCXO_P -Main_DCXO_N
differential pair Main_DCXO_C: +Main_DCXO_C_P -Main_DCXO_C_N
differential pair CKC_GTP_125: +CKC_GTP_125_P -CKC_GTP_125_N
differential pair CK_GTP_125: +CK_GTP_125_P -CK_GTP_125_N
differential pair CKI_GTP: +CKI_GTP_P -CKI_GTP_N
differential pair CKI_FPGAIO: +CKI_FPGAIO_P -CKI_FPGAIO_N
differential pair CKIN0: +CKIN0_P -CKIN0_N
differential pair SFP_RX_TX_1.TD: +SFP_RX_TX_1.TD_P -SFP_RX_TX_1.TD_N
differential pair SFP_RX_TX_1.RD: +SFP_RX_TX_1.RD_P -SFP_RX_TX_1.RD_N
differential pair DDR3_UDQS: +DDR3_UDQS_P -DDR3_UDQS_N
differential pair DDR3_LDQS: +DDR3_LDQS_P -DDR3_LDQS_N
differential pair DDR3_CK: +DDR3_CK_P -DDR3_CK_N
differential pair CLKREC: +CLKREC_P -CLKREC_N
differential pair USB_D_R: +USB_D_R_P -USB_D_R_N
differential pair SFP_RX_TX_0.RD: +SFP_RX_TX_0.RD_P -SFP_RX_TX_0.RD_N
differential pair SFP_RX_TX_0.TD: +SFP_RX_TX_0.TD_P -SFP_RX_TX_0.TD_N
differential pair CK_GTP: +CK_GTP_P -CK_GTP_N
differential pair CKOUT_D_1: +CKOUT_D_1_P -CKOUT_D_1_N
differential pair SFP_RX_TX_2.RD: +SFP_RX_TX_2.RD_P -SFP_RX_TX_2.RD_N
differential pair SFP_RX_TX_2.TD: +SFP_RX_TX_2.TD_P -SFP_RX_TX_2.TD_N
differential pair CKOUT_1: +CKOUT_1_P -CKOUT_1_N

## Components (designator, comment, footprint, x,y, rotation, side; value= is the part's Value field where it differs from the comment)
C1 "100nF" CAPC0603X33N 119.811,216.45 r270 bottom
C2 "100nF" CAPC0603X33N 120.573,216.45 r270 bottom
C3 "10uF" CAPC2012X95N 142.25,197.75 r90 top
C4 "100nF" CAPC0603X33N 136.325,209.525 r270 bottom
C5 "10uF" CAPC2012X95N 290.25,210.75 r0 top
C6 "100nF" CAPC0603X33N 137.025,209.525 r270 bottom
C7 "100nF" CAPC0603X33N 129.775,216.3 r0 bottom
C8 "100nF" CAPC0603X33N 138.625,209.3 r180 bottom
C9 "22uF" CAPMP3216X180N 159.75,219.25 r90 top
C10 "100nF" CAPC0603X33N 129.775,215.525 r0 bottom
C11 "100nF" CAPC0603X33N 140.125,209.3 r0 bottom
C12 "4.7uF" CAPC1005X55N 161.5,217.5 r270 top
C13 "22uF" CAPMP3216X180N 122.75,195.75 r180 top
C14 "10uF" CAPC2012X95N 154.5,238.7 r90 top
C15 "4.7uF" CAPC1005X55N 123.75,197.5 r0 top
C16 "22uF" CAPC1709X100N 168.1,217.1 r180 top
C17 "22uF" CAPC1709X100N 122.95,203.25 r0 top
C18 "22uF" CAPC2012X135N 132.6,197.5 r90 top
C19 "22uF" CAPMP3216X180N 169.25,214 r0 top
C20 "100nF" CAPC0603X33N 146,210.25 r0 bottom
C21 "100nF" CAPC0603X33N 149.375,220.9 r90 bottom
C22 "100nF" CAPC0603X33N 155.55,229.75 r0 bottom
C23 "1nF" CAPC1005X55N 120.75,211.1 r0 bottom
C24 "1uF" CAPC1005X55N 130.048,214.149 r180 bottom
C25 "100nF" CAPC0603X33N 120.65,212.117 r0 bottom
C26 "100nF" CAPC0603X33N 122.07,208.167 r90 bottom
C27 "100nF" CAPC0603X33N 143.981,229.744 r0 bottom
C28 "100nF" CAPC0603X33N 181.725,217.7 r270 top
C29 "100nF" CAPC0603X33N 177.725,217.45 r90 top
C30 "100nF" CAPC0603X33N 247.919,165.2 r270 bottom
C31 "100nF" CAPC0603X33N 272.7,164.7 r180 bottom
C32 "100nF" CAPC0603X33N 261.975,162.425 r0 bottom
C33 "100nF" CAPC0603X33N 275.25,217.5 r270 bottom
C34 "100nF" CAPC0603X33N 275.25,212.75 r90 bottom
C35 "100nF" CAPC0603X33N 176.319,165.8 r90 bottom
C36 "100nF" CAPC0603X33N 186.619,161.7 r90 bottom
C37 "100nF" CAPC0603X33N 201.219,164.5 r180 bottom
C38 "100nF" CAPC1005X55N 131.175,198.2 r90 top
C39 "100nF" CAPC0603X33N 211.019,163 r90 bottom
C40 "100nF" CAPC0603X33N 224.919,166.1 r0 bottom
C41 "100nF" CAPC0603X33N 235.819,165.8 r180 bottom
C42 "100nF" CAPC0603X33N 176.25,158 r180 bottom
C43 "10nF" CAPC1005X55N 148.4,217.901 r180 bottom
C44 "10nF" CAPC1005X55N 148.4,215.9 r180 bottom
C45 "22uF" CAPMP3216X180N 128,203.75 r0 top
C46 "10nF" CAPC1005X55N 147.299,222.8 r270 bottom
C47 "10nF" CAPC1005X55N 149.3,222.8 r270 bottom
C48 "10nF" CAPC1005X55N 152.999,231.5 r270 bottom
C49 "100nF" CAPC0603X33N 134.2,215.8 r0 bottom
C50 "22uF" CAPC1709X100N 235.244,232.575 r180 bottom
C51 "100nF" CAPC0603X33N 233.519,220.525 r180 bottom
C52 "100nF" CAPC0603X33N 179.75,240.25 r180 top
C53 "100nF" CAPC0603X33N 165.475,235.6 r180 top
C54 "47uF" CAPC3225X270N 253.6,207.2 r180 top
C55 "470nF" CAPC0603X33N 237.494,220.5 r180 bottom
C56 "100uF" CAPC3225X270N 234.6,238 r0 top
C57 "22uF" CAPC1709X100N 229.5,234.575 r270 bottom
C58 "100uF" CAPC3225X270N 252.219,228.3 r90 top
C59 "4.7uF" CAPC2012X135N 234.869,203.95 r90 bottom
C60 "22uF" CAPC1709X100N 221.369,226.7 r0 bottom
C61 "470nF" CAPC0603X33N 238.019,228 r90 bottom
C62 "470nF" CAPC0603X33N 232.644,210.675 r270 bottom
C63 "470nF" CAPC0603X33N 237.244,210.075 r90 bottom
C64 "470nF" CAPC0603X33N 224.919,224.975 r90 bottom
C65 "470nF" CAPC0603X33N 235.544,214.05 r0 bottom
C66 "4.7uF" CAPC2012X135N 244.069,205.6 r90 bottom
C67 "4.7uF" CAPC2012X135N 249.469,218.075 r180 bottom
C68 "470nF" CAPC0603X33N 241.444,227.55 r0 bottom
C69 "470nF" CAPC0603X33N 237.594,222.475 r0 bottom
C70 "470nF" CAPC0603X33N 240.969,219.25 r90 bottom
C71 "4.7uF" CAPC2012X135N 244.369,232.95 r270 bottom
C72 "4.7uF" CAPC2012X135N 226.869,205.7 r90 bottom
C73 "470nF" CAPC0603X33N 236.994,225.975 r270 bottom
C74 "470nF" CAPC0603X33N 229.544,209.525 r0 bottom
C75 "470nF" CAPC0603X33N 242.494,213.525 r0 bottom
C76 "4.7uF" CAPC2012X135N 248.847,210.702 r180 bottom
C77 "4.7uF" CAPC2012X135N 248.994,226.25 r180 bottom
C78 "470nF" CAPC0603X33N 241.494,216.55 r0 bottom
C79 "470nF" CAPC0603X33N 239.044,218.825 r270 bottom
C80 "470nF" CAPC0603X33N 242.497,210.524 r180 bottom
C81 "4.7uF" CAPC2012X135N 221.415,228.482 r0 bottom
C82 "4.7uF" CAPC2012X135N 221.415,223.148 r0 bottom
C83 "470nF" CAPC0603X33N 230.494,223.475 r180 bottom
C84 "470nF" CAPC0603X33N 224.369,217.225 r270 bottom
C85 "470nF" CAPC0603X33N 225.569,222.475 r0 bottom
C86 "4.7uF" CAPC2012X135N 221.415,208.67 r0 bottom
C87 "4.7uF" CAPC2012X135N 237.119,207.8 r270 bottom
C88 "470nF" CAPC0603X33N 227.494,215.525 r0 bottom
C89 "470nF" CAPC0603X33N 244.479,224.49 r180 bottom
C90 "470nF" CAPC0603X33N 228.494,212.525 r0 bottom
C91 "330uF" CAPMP7343X190N 217.869,232.2 r90 top
C92 "4.7uF" CAPC2012X135N 221.415,214.512 r0 bottom
C93 "4.7uF" CAPC2012X135N 221.619,221.2 r0 bottom
C94 "4.7uF" CAPC2012X135N 221.619,212.7 r0 bottom
C95 "470nF" CAPC0603X33N 231.544,222.5 r0 bottom
C96 "4.7uF" CAPC2012X135N 230.869,205.45 r90 bottom
C97 "470nF" CAPC0603X33N 231.519,227.5 r0 bottom
C98 "470nF" CAPC0603X33N 234.623,215.528 r0 bottom
C99 "470nF" CAPC0603X33N 234.794,217.5 r0 bottom
C100 "470nF" CAPC0603X33N 232.519,224.525 r0 bottom
C101 "22uF" CAPC1709X100N 231.796,233.98 r0 bottom
C102 "470nF" CAPC0603X33N 231.544,220.525 r0 bottom
C103 "470nF" CAPC0603X33N 232.569,216.493 r0 bottom
C104 "470nF" CAPC0603X33N 232.521,223.504 r0 bottom
C105 "470nF" CAPC0603X33N 231.469,218.518 r0 bottom
C106 "470nF" CAPC0603X33N 231.519,217.5 r0 bottom
C107 "470nF" CAPC0603X33N 233.494,214.5 r0 bottom
C108 "470nF" CAPC0603X33N 231.619,214.5 r0 bottom
C109 "4.7uF" CAPC2012X135N 224.286,231.886 r270 bottom
C110 "4.7uF" CAPC2012X135N 221.415,216.29 r0 bottom
C111 "4.7uF" CAPC2012X135N 240.594,236.85 r180 top
C112 "100nF" CAPC0603X33N 232.494,229.525 r0 bottom
C113 "100nF" CAPC0603X33N 227.494,229.6 r0 bottom
C114 "100nF" CAPC0603X33N 233.494,228.5 r0 bottom
C115 "100nF" CAPC0603X33N 227.444,228.5 r0 bottom
C116 "100nF" CAPC0603X33N 230.559,228.482 r0 bottom
C117 "470nF" CAPC0603X33N 236.969,223.95 r270 bottom
C118 "470nF" CAPC0603X33N 237.494,216.525 r180 bottom
C119 "470nF" CAPC0603X33N 237.469,217.575 r180 bottom
C120 "100nF" CAPC0603X33N 234.519,219.45 r0 bottom
C121 "470nF" CAPC0603X33N 234.994,221.675 r90 bottom
C122 "100nF" CAPC0603X33N 235.019,220.3 r270 bottom
C123 "100nF" CAPC0603X33N 230.519,224.5 r0 bottom
C124 "100nF" CAPC0603X33N 232.519,226.5 r0 bottom
C125 "100nF" CAPC0603X33N 229.519,226.5 r0 bottom
C126 "56pF" CAPC1608X87N 202.946,235.204 r0 top
C127 "22uF" CAPC1709X100N 202.946,233.68 r0 top
C128 "22uF" CAPC1709X100N 206.4,239.3 r270 top